# Altium PCB TEZ_Project.PcbDoc (part 1 of 2) (continued)
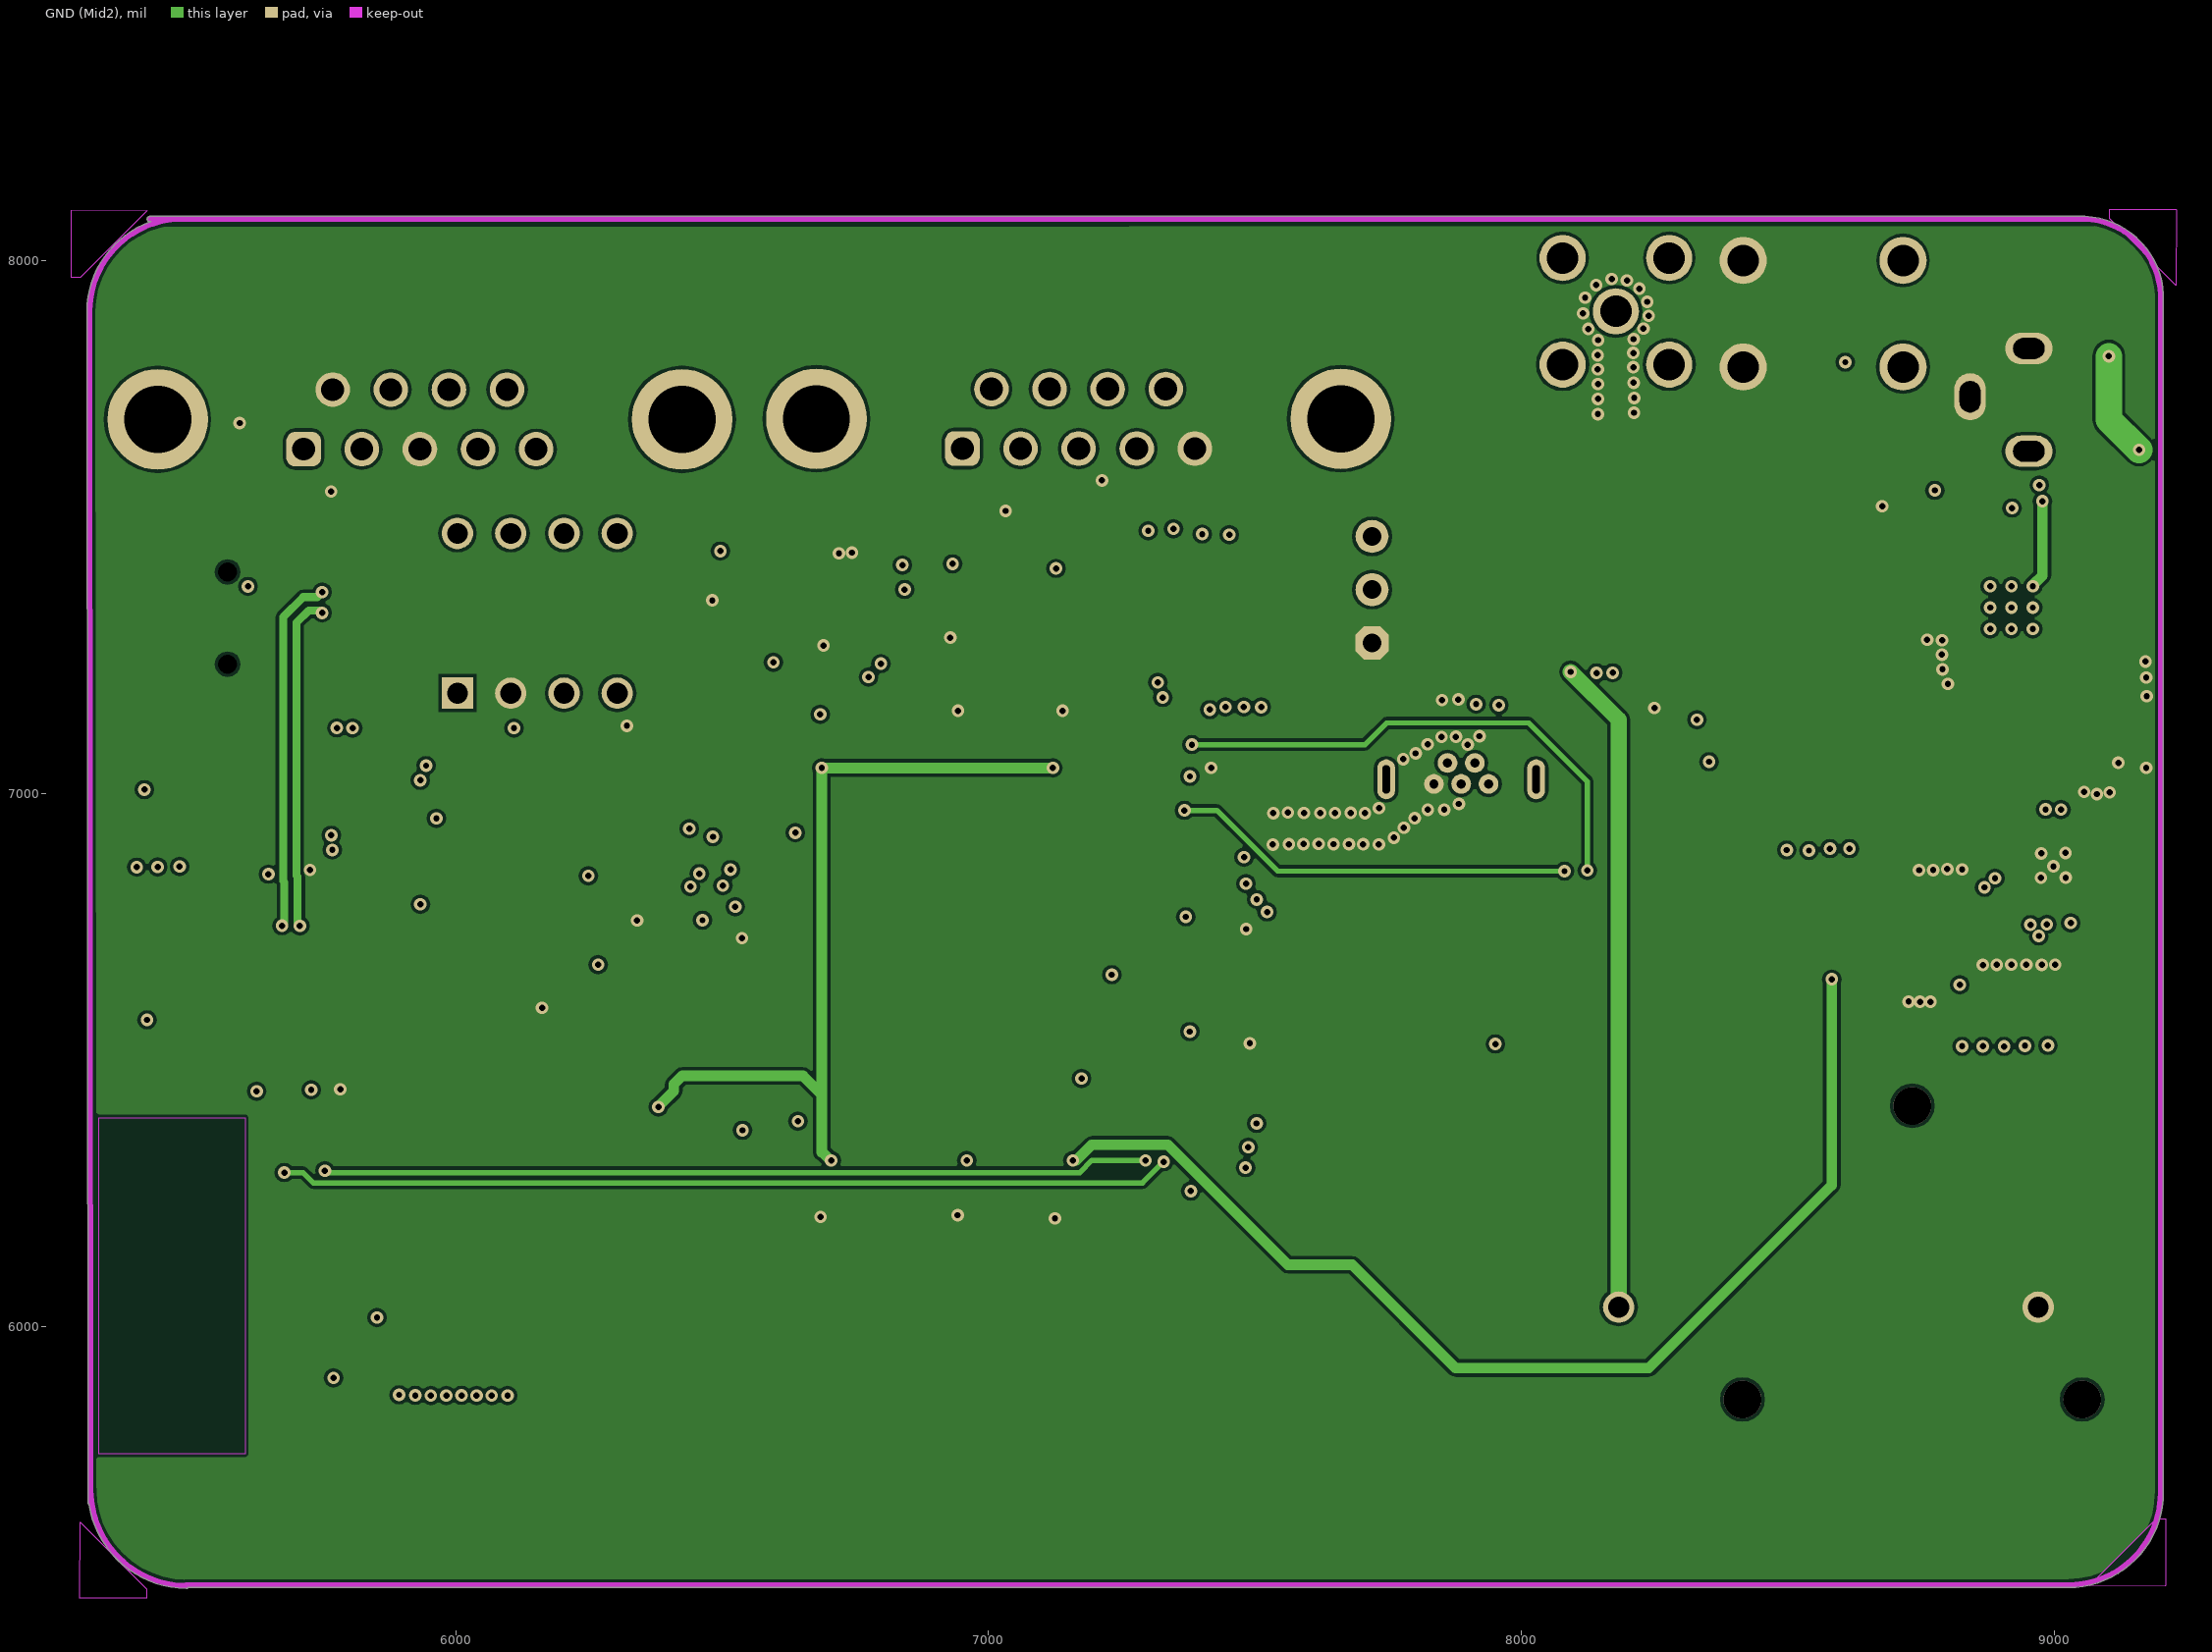
[diagram p3: GND (Mid2)]
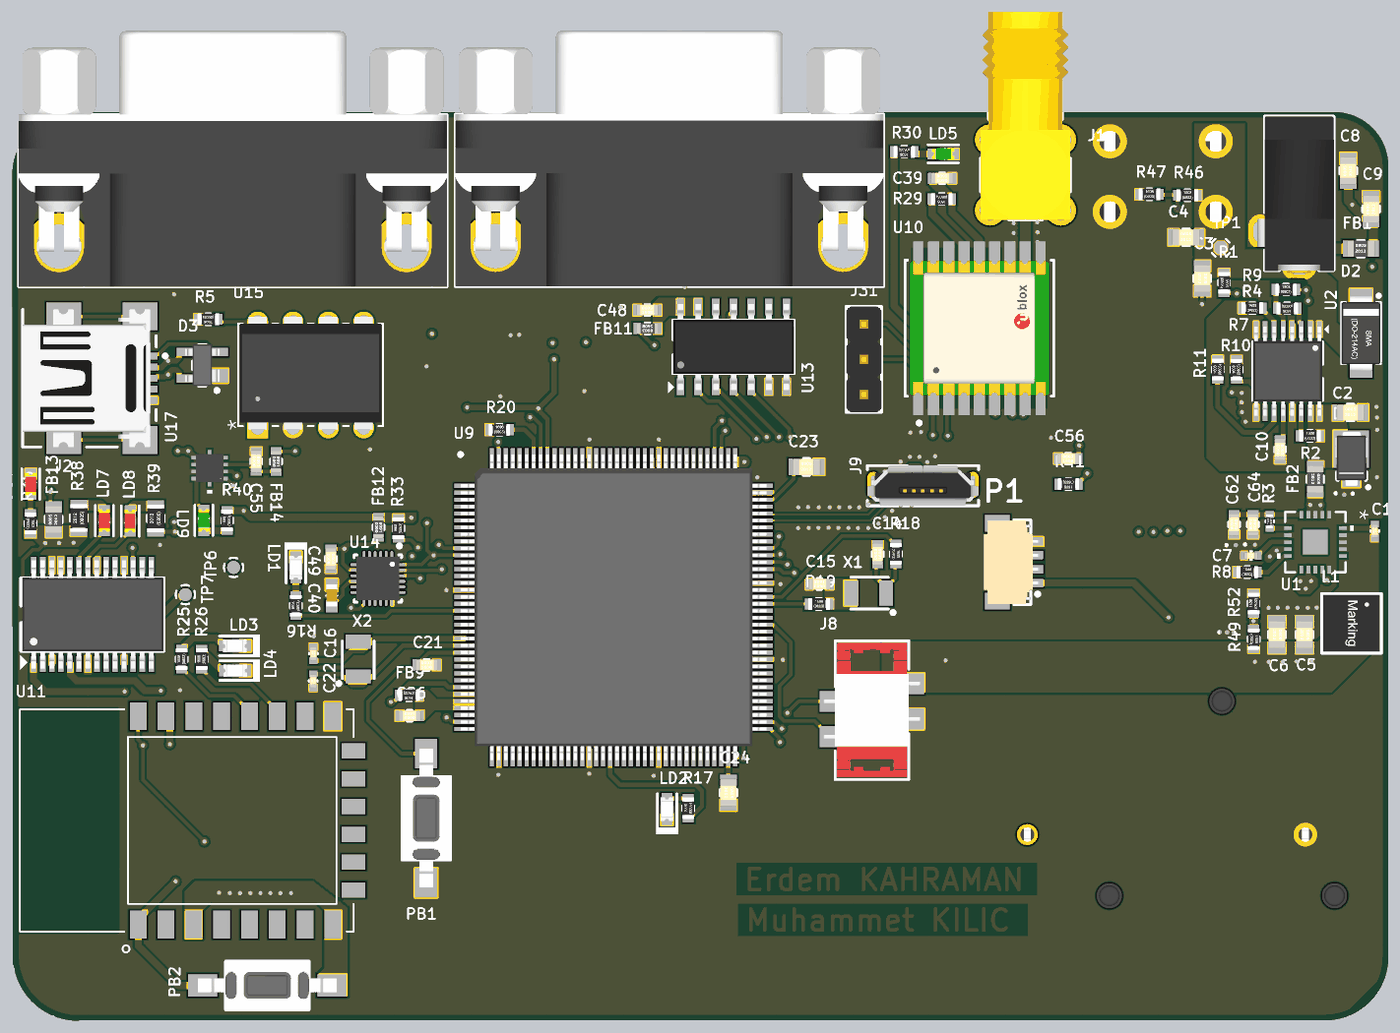
[diagram p5: 3D render of the assembled board from above, using the file's embedded part models]
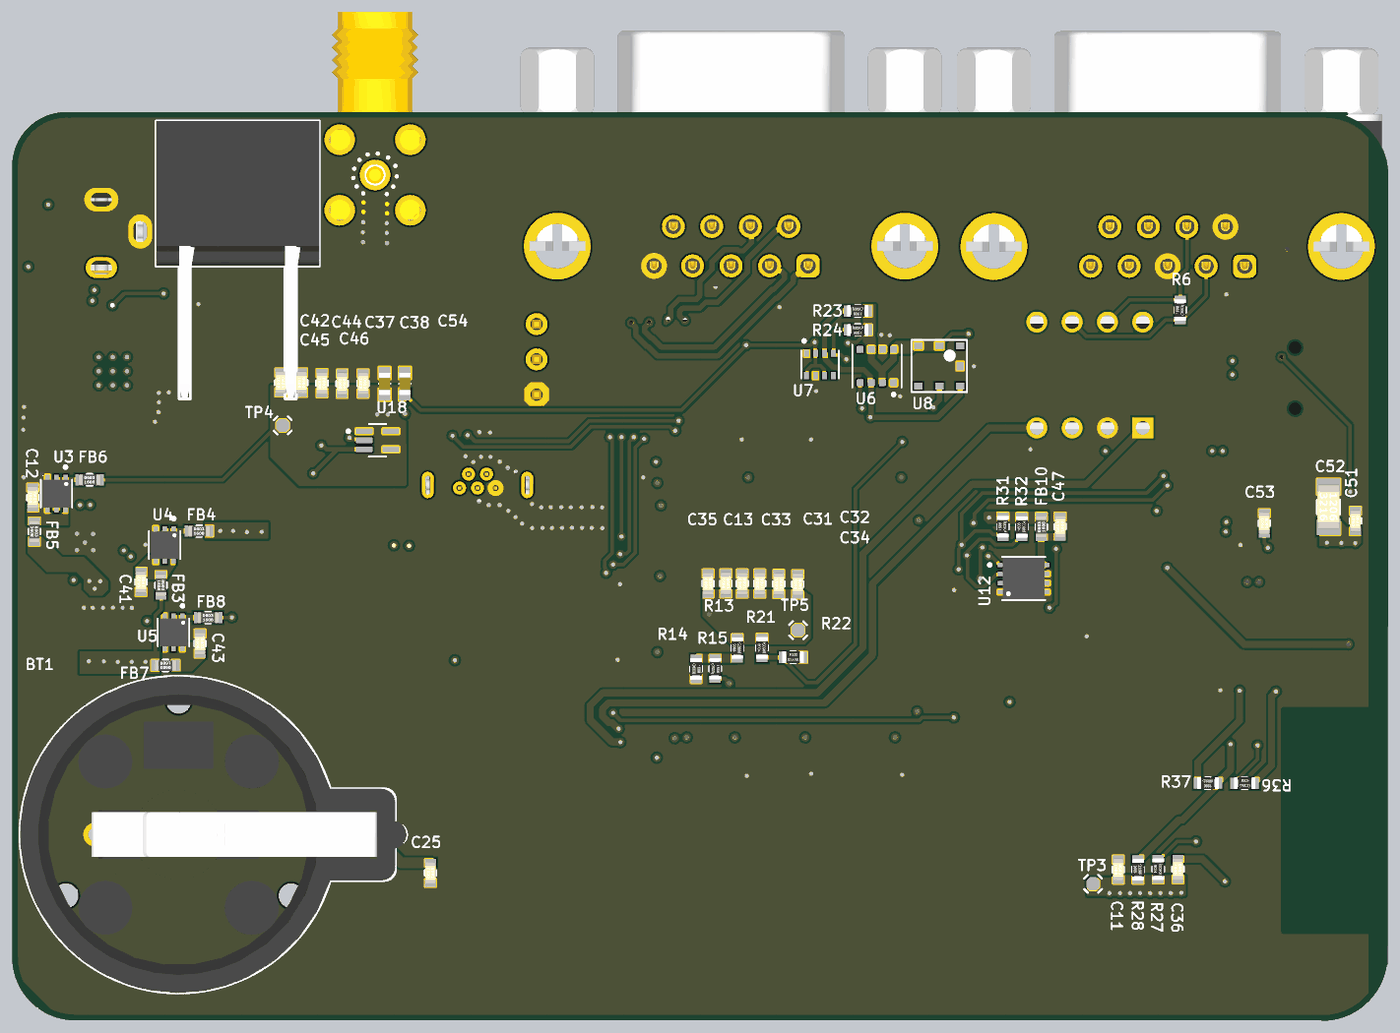
[diagram p6: 3D render of the assembled board from below, using the file's embedded part models]

## Layer stack, top to bottom
Top Solder: solder mask 0.7874, Solder Resist, Dk 3.5
Top Layer: signal copper 1.378
Dielectric 2: prepreg 4.3307, PP-006, Dk 4.1
GND: signal copper 1.378
Dielectric 1: dielectric 47.2441, FR-4, Dk 4.8
GND (Mid2): signal copper 1.378
Dielectric 3: prepreg 4.3307, PP-006, Dk 4.1
Bottom Layer: signal copper 1.378
Bottom Solder: solder mask 0.7874, Solder Resist, Dk 3.5

## Board outline
5309.79,5670.05 5308.07,7904.97 cw(c5313.08,7904.98) 5308.07,7904.99 cw(c5487.2,7904.51) 5427.93,8073.56 5426.14,8073.56 cw(c5426.14,8078.57) 5426.14,8083.59 5482.5,8083.59 cw(c5487.2,7904.51) 5487.68,8083.65 cw(c5487.67,8078.63) 5488.45,8083.59 9044.85,8083.59 cw(c9051.39,7929.96) 9205.01,7936.61 cw(c9200,7936.39) 9205.02,7936.39 9205.02,5688.72 cw(c9026.13,5688.45) 9205.02,5688.45 cw(c9026.13,5688.45) 9026.4,5509.56 cw(c9026.39,5514.58) 9026.39,5509.56 5498.1,5509.56 cw(c5494.68,5513.23) 5494.66,5508.22 cw(c5495.39,5693.37) 5312.31,5665.7 cw(c5314.81,5670.05)

## Design rules (kind name [scope] priority, off if disabled: settings)
Clearance [All] p1: gap=6 ignorepadtopadclearanceinfootprint=FALSE
DiffPairsRouting [All] p1: maxlimit=10 minlimit=10 mostfreqgap=10 toplayer_minwidth=6 toplayer_maxwidth=15 toplayer_prefwidth=15 midlayer1_minwidth=6 midlayer1_maxwidth=15 midlayer1_prefwidth=15 midlayer2_minwidth=6 midlayer2_maxwidth=15 midlayer2_prefwidth=15 bottomlayer_minwidth=6 bottomlayer_maxwidth=15 bottomlayer_prefwidth=15 maxuncoupledlength=500
MinimumSolderMaskSliver [All] p1: minsoldermaskwidth=1
PolygonConnect [All] p1: connectstyle=Direct reliefconductorwidth=10 reliefentries=4 polygonreliefangle="90 Angle" airgapwidth=10
RoutingVias [All] p1: holewidth=11.81 width=27.56 viastyle="Through Hole" minholewidth=0 minwidth=19.68 maxholewidth=15.75 maxwidth=23.62
SilkToSilkClearance [All] p1: silktosilkclearance=1
SilkToSolderMaskClearance [IsPad] p1: minsilkscreentomaskgap=1 clearancetoexposedcopper=TRUE
SolderMaskExpansion SolderMaskExpansion_Via [IsVia] p1: expansion=4 istentingtop=TRUE
SolderMaskExpansion [All] p2: expansion=4 istentingtop=FALSE
Width [All] p1: maxlimit=99 minlimit=8 preferedwidth=10
26 further rules are at their usual default settings.

## Classes and differential pairs
component class CONN: BT1 C51 C52 C53 D3 FB13 J2 J3 J4 J6 J7 J8 J9 LD6 LD7 LD8 P1 R35 R36 R37 R38 R39 R46 R47 TP6 TP7 U16
component class MCU: C14 C15 C16 C21 C22 C23 C24 C25 C26 C31 C32 C33 C34 C35 FB9 LD1 LD2 PB1 R13 R14 R15 R16 R17 R18 R19 R20 R21 R22 U9 X1 X2
component class Wi-Fi: C36 LD3 LD4 PB2 R25 R26 R27 R28 U11
component class INPUT_POWER: C1 C2 C3 C4 C5 C6 C7 C8 C9 C10 C11 C12 C13 C41 C42 C43 C62 C64 D1 D2 FB1 FB2 FB3 FB4 FB5 FB6 FB7 FB8 L1 R1 R2 R3 R4 R7 R8 R9 R10 R11 R49 R52 TP1 TP3 TP4 TP5 U1 U2 U3 U4 U5
component class DIGITALS: C37 C38 C39 C40 C44 C45 C46 C47 C48 C49 C54 C55 C56 FB10 FB11 FB12 FB14 J1 J31 LD5 LD9 R5 R6 R23 R24 R29 R30 R31 R32 R33 R40 R41 U6 U7 U8 U10 U12 U13 U14 U15 U17 U18
differential pair USB-D: +USB-D_P -USB-D_N
differential pair USB_DATA: +USB_DATA_P -USB_DATA_N
differential pair RX_485: +RX_485_P -RX_485_N
differential pair TX_485: +TX_485_P -TX_485_N

## Components (designator, comment, footprint, x,y, rotation, side; value= is the part's Value field where it differs from the comment)
BT1 "79528211" 79528211 8733.96,6035.97 r0 bottom
C1 "0.1uF" CAPC1005-0402X55N 9167.11,6895.98 r270 top
C2 "1uF" CAPC2012-0805X80N 9098.12,7232.19 r0 top
C3 "1uF" CAPC2012-0805X80N 8678.17,7611.9 r270 top
C4 "0.1uF" CAPC2012-0805X110N 8632.53,7728.75 r0 top
C5 "47uF" CAPC2012-0805X150N 8967.81,6602.64 r270 top
C6 "47uF" CAPC2012-0805X150N 8889.67,6602.76 r270 top
C7 "5600pF" CAPC1005-0402X55N 8816.42,6826.7 r0 top
C8 "4.7uF" CAPC2012-0805X80N 9091.68,7917.09 r90 top
C9 "4.7uF" CAPC2012-0805X80N 9156.39,7808.62 r90 top
C10 "0.022uF" CAPC1608-0603X90N 8898.57,7127.42 r90 top
C11 "0.1uF" CAPC1608-0603X90N 6072.93,5936.79 r270 bottom
C12 "1uF" CAPC1608-0603X90N 9146.72,6991.12 r270 bottom
C13 "0.1uF" CAPC1608-0603X90N 7184.06,6747.93 r270 bottom
C14 "2pF" CAPC1608-0603X85N 7758.99,6830.84 r90 top
C15 "2pF" CAPC1608-0603X85N 7594.08,6746.08 r180 top
C16 "4.3pF" CAPC1005-0402X55N 6161.16,6548.81 r90 top
C21 "0.1uF" CAPC1608-0603X85N 6481.69,6516.75 r0 top
C22 "4.3pF" CAPC1005-0402X55N 6160.43,6471.41 r270 top
C23 "2.2uF" CAPC2012-0805X80N 7557.33,7077.9 r0 top
C24 "2.2uF" CAPC2012-0805X80N 7336.44,6154.61 r270 top
C25 "1uF" CAPC1608-0603X85N 8020.45,5927.48 r90 bottom
C26 "0.1uF" CAPC1608-0603X85N 6433.54,6372.85 r180 top
C31 "0.1uF" CAPC1608-0603X85N 7088.06,6747.49 r90 bottom
C32 "0.1uF" CAPC1608-0603X85N 7034.25,6746.37 r90 bottom
C33 "0.1uF" CAPC1608-0603X85N 7137.64,6747.41 r90 bottom
C34 "0.1uF" CAPC1608-0603X85N 6980.38,6745.52 r90 bottom
C35 "4.7uF" CAPC1608-0603X85N 7234.4,6747.37 r90 bottom
C36 "0.1uF" CAPC1608-0603X85N 5903.72,5938.1 r270 bottom
C37 "1µF" SMD-0603C 8150.29,7313.51 r0 bottom
C38 "0.10µF" SMD-0603C 8093.11,7313.65 r0 bottom
C39 "0.1uF" CAPC1608-0603X90N 7941.56,7896.1 r180 top
C40 "0.10µF" SMD-0603C 6212.8,6713.57 r180 top
C41 "1uF" CAPC1608-0603X90N 8840.41,6752.06 r90 bottom
C42 "0.1uF" CAPC1608-0603X90N 8327.83,7315.57 r270 bottom
C43 "1uF" CAPC1608-0603X90N 8673.06,6577.37 r270 bottom
C44 "0.1uF" CAPC1608-0603X90N 8211.49,7314.42 r270 bottom
C45 "0.1uF" CAPC1608-0603X90N 8385,7316.93 r270 bottom
C46 "0.1uF" CAPC1608-0603X90N 8444.6,7317.28 r270 bottom
C47 "0.1uF" CAPC1608-0603X90N 6237.23,6908.93 r90 bottom
C48 "0.1uF" CAPC1608-0603X90N 7106.72,7522.33 r0 top
C49 "0.1uF" CAPC1608-0603X90N 6210.66,6817.39 r270 top
C51 "0.1uF" CAPC1608-0603X85N 5401.09,6925.02 r90 bottom
C52 "10uF" CAPC3216-1206X100N 5477.14,6964.6 r270 bottom
C53 "0.1uF" CAPC1608-0603X85N 5659.19,6918.57 r90 bottom
C54 "10uF" CAPC1608-0603X90N 8270.55,7313.98 r90 bottom
C55 "0.1uF" CAPC1608-0603X90N 5999.1,7093.58 r90 top
C56 "1uF" CAPC1608-0603X90N 8298.26,7101.49 r0 top
C62 "1uF" CAPC1608-0603X90N 8768.4,6914.86 r270 top
C64 "1uF" CAPC1608-0603X90N 8821.77,6914.72 r270 top
D1 "SS3P3" "DO-220AA (SMP)" 9100.11,7128.36 r270 top
D2 "SMAJ33CA" DO-214AC 9128.01,7457.04 r270 top
D3 "SP0503BAHTG" SOT143N 5846.34,7365.87 r180 top
FB1 "220R" INDC2012-0805X90N 9127.3,7696.53 r0 top
FB2 "220R" INDC2012-0805X90N 8997.91,7043.38 r270 top
FB3 "60R" INDC1608-0603X80N 8783.53,6742.61 r270 bottom
FB4 "60R" INDC1608-0603X80N 8676.01,6896.17 r180 bottom
FB5 "60R" INDC1608-0603X80N 9142.32,6894.85 r270 bottom
FB6 "60R" INDC1608-0603X80N 8985.9,7041.6 r180 bottom
FB7 "60R" INDC1608-0603X80N 8771.03,6515.44 r0 bottom
FB8 "60R" INDC1608-0603X80N 8650.39,6651 r180 bottom
FB9 "22R" INDC1608-0603X50N 6431.82,6430.91 r180 top
FB10 "60R" INDC1608-0603X80N 6290.69,6907.96 r90 bottom
FB11 "60R" INDC1608-0603X80N 7107.32,7470.31 r180 top
FB12 "60R" INDC1608-0603X80N 6345.61,6906.89 r90 top
FB13 "22R" INDC2012-0805X90N 5425.31,6929.06 r90 top
FB14 "60R" INDC1608-0603X80N 6055.41,7093.29 r90 top
J1 "SMA" "HUBER-SUHNER_85 SMA-50-0-101/111 NE" 8177.53,7905.35 r90 top
J2 "10033526-USB" USB/SM0.8-6H5 5564.16,7329.5 r180 top
J3 "618009231121" 618009231121 5932.89,7832.49 r180 top
J4 "618009231121" 618009231121 7169.22,7833.5 r180 top
J6 "694102303002" 694102303002 8952.6,7853.37 r180 top
J7 "638363122002" 638363122002 8566.5,7900.85 r180 bottom
J8 "690367290476" 690367290476 7742.84,6388.6 r90 top
J9 "Mini USB 2.0 Type B Receptacle" 614105150721 7887.23,7026.85 r180 top
J31 "CON3" HDR1X3M 7719.91,7282.87 r90 top
L1 "6.8uH, 3A" WE-MAIA_4030 9100.94,6634.86 r270 top
LD1 "160-1183-1-ND" LED_LTST-C190 6111.41,6792.8 r90 top
LD2 "160-1183-1-ND" LED_LTST-C190 7162.65,6108.09 r270 top
LD3 "160-1183-1-ND" LED_LTST-C190 5938.86,6570.85 r0 top
LD4 "160-1183-1-ND" LED_LTST-C190 5939.23,6500.77 r0 top
LD5 "LED_0603" LED0603-1608X55N-GREEN 7944.67,7965.15 r0 top
LD6 "LTST-C190EKT" LED0603-1608X55N-RED 5360.62,7029.15 r90 top
LD7 "LTST-C190EKT" LED0603-1608X55N-RED 5569.11,6925.82 r270 top
LD8 "LTST-C190EKT" LED0603-1608X55N-RED 5642.11,6924.78 r270 top
LD9 "LED_0603" LED0603-1608X55N-GREEN 5850.93,6926.69 r90 top
P1 "665304124022" 665304124022 8129.42,6807.91 r90 top
PB1 "Push Button" PB_TYCO_FSMSM 6480.48,6082.55 r270 top
PB2 "Push Button" PB_TYCO_FSMSM 6030.52,5608.46 r0 top
R1 "887K" RESC1608-0603X50N 8740.08,7599.95 r270 top
R2 "FLT" RESC1608-0603X50N 8983.5,7165.83 r0 top
R3 "10K" RESC1005-0402X35N 8869.32,6923.87 r90 top
R4 "90.9K" RESC1608-0603X50N 8918.76,7527.63 r180 top
R5 "1K" RESC1608-0603X50N 5863.54,7496.44 r180 top
R6 "120R" RESC1608-0603X50N 5897.35,7522.47 r90 bottom
R7 "0R" RESC1608-0603X50N 8820.19,7527.9 r0 top
R8 "40.2K" RESC1608-0603X50N 8805.63,6779.69 r0 top
R9 "30.1K" RESC1608-0603X50N 8915.36,7580.62 r0 top
R10 "20K" RESC1608-0603X50N 8775.09,7353.69 r90 top
R11 "8.06K" RESC1608-0603X50N 8721.86,7353.89 r90 top
R13 "0R" RESC1608-0603X50N 7151.85,6564.42 r90 bottom
R14 "0R" RESC1608-0603X50N 7268.16,6505.78 r270 bottom
R15 "100K" RESC1608-0603X50N 7214.44,6506.1 r270 bottom
R16 "1K" RESC1608-0603X50N 6111.49,6684.55 r90 top
R17 "1K" RESC1608-0603X50N 7222.64,6110.51 r90 top
R18 "0R" RESC1608-0603X50N 7810.43,6831.36 r270 top
R19 "0R" RESC1608-0603X50N 7592.77,6689.39 r0 top
R20 "10K" RESC1608-0603X50N 6687.86,7183.36 r0 top
R21 "0R" RESC1608-0603X50N 7081.72,6564.85 r90 bottom
R22 "0R" RESC1608-0603X50N 6993.73,6538.48 r180 bottom
R23 "10K" RESC1608-0603X50N 6810.41,7519.7 r0 bottom
R24 "10K" RESC1608-0603X50N 6810.29,7466.41 r0 bottom
R25 "1K" RESC1608-0603X50N 5787.92,6533.46 r90 top
R26 "1K" RESC1608-0603X50N 5844.62,6533.11 r90 top
R27 "10K" RESC1608-0603X50N 5959.69,5938.09 r90 bottom
R28 "10K" RESC1608-0603X50N 6016.96,5936.79 r90 bottom
R29 "10R" RESC1608-0603X50N 7940.71,7837.29 r180 top
R30 "1K" RESC1608-0603X50N 7834.16,7971.12 r180 top
R31 "1K" RESC1608-0603X50N 6399.23,6908.65 r90 bottom
R32 "1K" RESC1608-0603X50N 6346.05,6907.67 r90 bottom
R33 "1K" RESC1608-0603X50N 6401.88,6903.98 r90 top
R35 "220R" RESC1608-0603X50N 5359.58,6917.51 r270 top
R36 "0R" RESC1608-0603X50N 5714.82,6181.46 r180 bottom
R37 "0R" RESC1608-0603X50N 5818.89,6181.74 r0 bottom
R38 "768R" RESC2012-0805X50N 5496.81,6933.15 r90 top
R39 "768R" RESC2012-0805X50N 5714.39,6932.08 r90 top
R40 "22R" RESC1608-0603X50N 5916.82,6925.95 r90 top
R41 "1K" RESC1608-0603X50N 8299.29,7028.89 r180 top
R46 "100K" RESC1608-0603X50N 8636.38,7847.75 r0 top
R47 "13.5K" RESC1608-0603X50N 8528.72,7850.47 r0 top
R49 "133K" RESC1608-0603X50N 8823.85,6589.73 r270 top
R52 "38.3K" RESC1608-0603X50N 8823.53,6690.99 r90 top
TP1 "TP" TP-OCTAGONAL 8730.57,7699.05 r0 top
TP3 "TP" TP-OCTAGONAL 6144.19,5896.47 r90 bottom
TP4 "TP" TP-OCTAGONAL 8438.97,7195.6 r90 bottom
TP5 "TP" TP-OCTAGONAL 6979.38,6615.27 r90 bottom
TP6 "TP" TP-ROUND 5935.06,6793.24 r90 top
TP7 "TP" TP-ROUND 5798.56,6716.11 r90 top
U1 "MAX17634CATP+" max17633 8998.53,6864.83 r270 top
U2 "TPS26600PWPR" "TSSOP65P640-16N-2.74MM T.PAD" 8920.12,7349.23 r270 top
U3 "TLV76733DRVT" SON65P200X200X80-7N 9079.68,7002.29 r270 bottom
U4 "TLV76733DRVT" SON65P200X200X80-7N 8773.14,6856.53 r270 bottom
U5 "TLV76733DRVT" SON65P200X200X80-7N 8748.32,6609.11 r270 bottom
U6 "BME680" PSON80P300X300X100-8N 6756.35,7363.82 r270 bottom
U7 "BMP280" XDCR_BMP280 6917.29,7368.36 r90 bottom
U8 "BMP180" BMP180 6579.61,7363.97 r180 bottom
U9 "MCU_LQFP144" QFP50P2200X2200X160-144N 7011,6680.06 r0 top
U10 "MAX-M8Q-0" FP-MAX-M8Q-0-MFG 8046.91,7471.09 r90 top
U11 "ESP8266-12E/ESP-12E" XCVR_ESP8266-12E/ESP-12E 5940.45,6076.16 r90 top
U12 "MAX31725MTA+" SON65P300X300X80-9N 6340.57,6761.82 r180 bottom
U13 "ADM3491" SOIC127P600-14N 7350.69,7418.2 r90 top
U14 "MPU-9250" INSE-QFN-24-1700X1540TP_N 6343.68,6761.6 r270 top
U15 "MCP2551-I/P" PDIP8_300MC_MCH 6003.36,7188.56 r90 top
U16 "FT232RL" SSOP65P790-28N 5535.44,6659.72 r0 top
U17 "SI1145-A10-GMR" QFN10_2X2_SIL 5867.23,7074.46 r180 top
U18 "LMT87DCKT" SOT65P210X110-5N 8170.5,7153.47 r180 bottom
X1 "32.768KHZ" 2-SMD 7782.74,6720.16 r180 top
X2 "8MHZ" 2-SMD 6288.07,6484.19 r90 top

## Footprints (in the part's own frame and the unit in brackets; to place one, negate y for a bottom-side part, rotate by r counter-clockwise, add the part's x,y. Pads: shape width x height; smd on the part's side, far side on the other; paste and mask are expansions set on the pad)
2-SMD [mm]
  rect 1x1.8 smd: 1(0,0) 2(2.5,0)
  silkscreen extent -0.63,-1.14 2.54,1.52
79528211 [mm] "Battery Holder"
  round 1.5 hole 1: 1(-14,0) 2(6,0)
  round 1.8 hole 1.8 unplated: MH1(-8.1,4.4) MH2(8.1,4.4) MH3(0,-9.6)
  silkscreen extent -16.4,-11.4 11.4,11.4, body extent -16.4,-11.4 11.4,11.4, height 8.5
614105150721 [mm] "Micro USB 2.0 Type B Vertical 5 Contacts"
  round 0.94 hole 0.44: 1(-1.3,0.22) 2(-0.65,-0.78) 3(0,0.22) 4(0.65,-0.78) 5(1.3,0.22)
  oval 0.85x1.9 hole 0.35 slot 1.35 at 90 deg: Shell(-3.575,0) Shell(3.575,0)
  silkscreen extent -4,-1.4 4,1.5, body extent -4,-1.4 4,1.5, height 5.64
618009231121 [mm] "9 pins, right angled, 8.08mm, with hex screw"
  rrect50% 1.65x1.65 hole 1.09: 1(5.54,4.72)
  round 1.65 hole 1.09: 2(2.77,4.72) 3(0,4.72) 4(-2.77,4.72) 5(-5.54,4.72) 6(4.155,1.88) 7(1.385,1.88) 8(-1.385,1.88) 9(-4.155,1.88)
  round 4.8 hole 3.2: M1(-12.5,3.3) M2(12.5,3.3)
  silkscreen extent -15.4,-6.2 15.4,6.2, body extent -15.4,-12.2 15.4,6.2, height 12.55
638363122002 [mm] "7.62mm THT Male Right Angled Header Blade 6.3, 2p"
  round 2.25 hole 1.5: 1(-3.81,-2.54) 1(-3.81,2.54) 2(3.81,-2.54) 2(3.81,2.54)
  silkscreen extent -5.87,-16 5.87,4, body extent -5.87,-15.95 5.87,4.05, height 11.1
665304124022 [mm] "1.00 mm SMT Male Vertical Shrouded Header, 4p"
  rect 0.6x1.55 smd: 1(-1.5,-1.725) 2(-0.5,-1.725) 3(0.5,-1.725) 4(1.5,-1.725)
  rect 1.2x1.8 smd: MP1(-2.8,0.8) MP2(2.8,0.8)
  silkscreen extent -3.05,-2.23 3.05,1.6, body extent -3,-2.19 3,1.77, height 4.79
690367290476 [mm] "MiniModule Connectors, PCB Type, Female, SMT, Vertical, 4p"
  rect 1.5x3 smd: 1(1.905,-2.25) 2(0.635,2.25) 3(-0.635,-2.25) 4(-1.905,2.25)
  silkscreen extent -4.99,-2.65 4.99,2.65, body extent -4.84,-3.5 4.83,3.5, height 5.75
694102303002 [mm] "DC Power Jack Right Angled(4.2)"
  oval 2.25x1.5 hole 1 slot 1.5 at 0 deg: 1(0,5.35) 2(0,0.45)
  oval 1.5x2.25 hole 1 slot 1.5 at 90 deg: 3(2.8,2.75)
  silkscreen extent -2.5,-5.55 2.5,5.55, body extent -2.5,-5.55 3,5.75, height 7.8
BMP180 [mm]
  rect 0.6x0.5 smd: 1(1.5,1.45) 2(0,1.45) 3(-1.5,1.45) 4(-1.5,-1.45) 5(0,-1.45) 6(1.5,-1.45)
  rect 0.5x0.6 smd: 7(1.5,0)
  silkscreen extent -2,-1.88 2,1.88
CAPC1005-0402X55N [mm] "Length 1.0mm; Width0.5mm; H: 0.55mm"
  rect 0.5x0.6 smd mask+0.06: 1(-0.5,0) 2(0.5,0)
  silkscreen extent -0.05,-0.3 0.05,0.3, body extent -0.5,-0.25 0.5,0.25, height 0.53
CAPC1608-0603X85N [mm] "Length 1.6mm; Width0.8mm; H: 0.85mm"
  rect 0.6x0.8 smd mask+0.07: 1(-0.725,0) 2(0.725,0)
  silkscreen extent -0.18,-0.4 0.18,0.4, body extent -0.8,-0.4 0.8,0.4, height 0.85
CAPC1608-0603X90N [mm] "Length 1.6mm; Width0.8mm; H: 0.9mm"
  rect 0.6x0.8 smd mask+0.07: 1(-0.725,0) 2(0.725,0)
  silkscreen extent -0.18,-0.4 0.18,0.4, body extent -0.8,-0.4 0.8,0.4, height 0.9
CAPC2012-0805X80N [mm] "Length 2.0mm; Width1.2mm; body H: 0.8mm"
  rect 0.8x1.2 smd mask+0.08: 1(-0.9,0) 2(0.9,0)
  silkscreen extent -0.23,-0.6 0.22,0.6, body extent -1,-0.6 1,0.6, height 0.8
CAPC2012-0805X110N [mm] "Length 2.0mm; Width1.2mm; body H: 1.1mm"
  rect 0.8x1.2 smd mask+0.08: 1(-0.9,0) 2(0.9,0)
  silkscreen extent -0.23,-0.6 0.22,0.6, body extent -1,-0.6 1,0.6, height 1.1